# KiCad board ButterStick.kicad_pcb (continued)
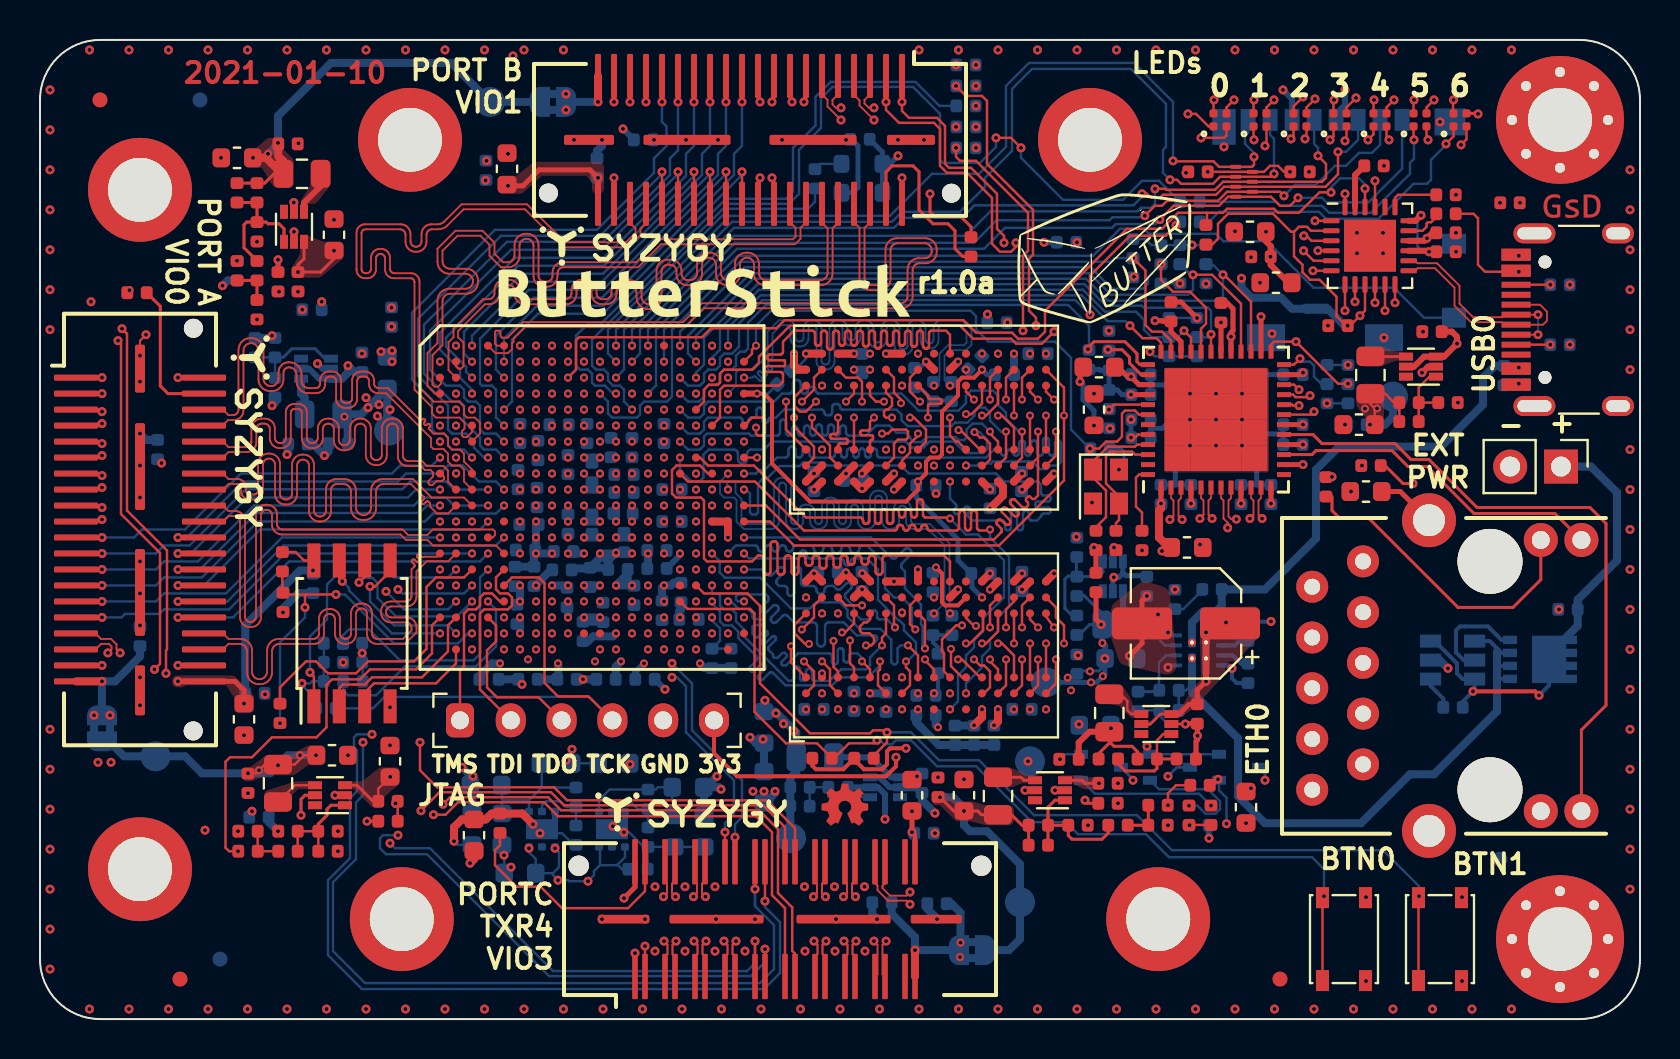
[diagram p0: board, top side]
## Routing (per net, layer and track width the routed paths; a pad name or vN(x,y) marks a point on that pad's centre or on a via; arc(x,y) is an arc through that point) (continued)
/SYZYGY0.D4_N: length 24
  Top w0.12: v1(3.1,26.6) 3,26.5 J3.15
  In2.Cu w0.089: v1(3.1,26.6) 3.28,26.77 8.5,26.77 10.7,24.57 13.93,24.57 14.05,24.59 14.17,24.63 14.27,24.69 14.36,24.78 14.42,24.88 14.46,25 14.47,25.12 14.47,25.37 14.48,25.44 14.51,25.51 14.55,25.57 14.6,25.62 14.66,25.66 14.73,25.68 14.8,25.69 14.87,25.68 14.94,25.66 15,25.62 15.05,25.57 15.09,25.51 15.12,25.44 15.12,25.37 15.12,25.12 15.14,25 15.18,24.88 15.24,24.78 15.33,24.69 15.43,24.63 15.55,24.59 15.67,24.57 15.73,24.57 15.85,24.59 15.97,24.63 16.07,24.69 16.16,24.78 16.22,24.88 16.26,25 16.28,25.12 16.28,25.37 16.28,25.44 16.31,25.51 16.35,25.57 16.4,25.62 16.46,25.66 16.53,25.68 16.6,25.69 16.67,25.68 16.74,25.66 16.8,25.62 16.85,25.57 16.89,25.51 16.92,25.44 16.92,25.37 16.92,25.12 16.94,25 16.98,24.88 17.04,24.78 17.13,24.69 17.23,24.63 17.35,24.59 17.47,24.57 18.71,24.57 18.74,24.57 18.76,24.56 18.78,24.55 18.8,24.53 18.82,24.51 18.82,24.49 18.83,24.46 18.83,24.18 18.83,24.15 18.84,24.13 18.85,24.11 18.87,24.09 18.89,24.07 18.92,24.07 18.94,24.06 18.97,24.07 18.99,24.07 19.01,24.09 19.03,24.11 19.04,24.13 19.05,24.15 19.06,24.18 19.06,24.46 19.06,24.49 19.07,24.51 19.08,24.53 19.1,24.55 19.12,24.56 19.14,24.57 19.17,24.57 19.19,24.57 19.22,24.56 19.24,24.55 19.26,24.53 19.27,24.51 19.28,24.49 19.28,24.46 19.28,24.18 19.29,24.15 19.29,24.13 19.31,24.11 19.33,24.09 19.35,24.07 19.37,24.07 19.4,24.06 19.42,24.07 19.45,24.07 19.47,24.09 19.49,24.11 19.5,24.13 19.51,24.15 19.51,24.18 19.51,24.46 19.51,24.49 19.52,24.51 19.54,24.53 19.55,24.55 19.58,24.56 19.6,24.57 19.62,24.57 19.67,24.57 v2(20,24.9)
/SYZYGY0.D4_P: length 24
  Top w0.12: v1(3.1,27.2) 3,27.3 J3.13
  In2.Cu w0.089: v2(20.8,24.1) 20.38,24.52 20.38,25.1 20.22,25.25 19.83,25.25 19.4,24.82 17.5,24.82 17.43,24.83 17.36,24.86 17.3,24.9 17.25,24.95 17.21,25.01 17.18,25.08 17.17,25.15 17.17,25.4 17.16,25.52 17.12,25.63 17.06,25.74 16.97,25.82 16.87,25.89 16.75,25.93 16.63,25.94 16.57,25.94 16.45,25.93 16.33,25.89 16.23,25.82 16.14,25.74 16.08,25.63 16.04,25.52 16.03,25.4 16.03,25.15 16.02,25.08 15.99,25.01 15.95,24.95 15.9,24.9 15.84,24.86 15.77,24.83 15.7,24.82 15.63,24.83 15.56,24.86 15.5,24.9 15.45,24.95 15.41,25.01 15.38,25.08 15.38,25.15 15.38,25.4 15.36,25.52 15.32,25.63 15.26,25.74 15.17,25.82 15.07,25.89 14.95,25.93 14.83,25.94 14.77,25.94 14.65,25.93 14.53,25.89 14.43,25.82 14.34,25.74 14.28,25.63 14.24,25.52 14.22,25.4 14.22,25.15 14.22,25.08 14.19,25.01 14.15,24.95 14.1,24.9 14.04,24.86 13.97,24.83 13.9,24.82 10.8,24.82 8.6,27.02 3.28,27.02 v1(3.1,27.2)
/SYZYGY0.D5_N: length 27.2
  Top w0.089: U4.L2 20.4,25.3 19.85,25.3 19.5,25.65 19.5,25.82 19.44,25.89 19.42,25.9 19.4,25.91 19.38,25.91 19.36,25.91 19.34,25.91 19.33,25.9 19.31,25.89 19.22,25.79 19.2,25.78 19.18,25.77 19.16,25.77 19.14,25.77 19.12,25.77 19.11,25.78 19.09,25.79 19.08,25.81 19.07,25.83 19.06,25.84 19.06,25.86 19.07,25.88 19.08,25.9 19.09,25.92 19.18,26.01 19.2,26.03 19.21,26.05 19.21,26.07 19.21,26.09 19.21,26.1 19.2,26.12 19.18,26.14 18.55,26.77 17.17,26.77 17.09,26.77 17.01,26.74 16.94,26.69 16.88,26.63 16.84,26.56 16.81,26.48 16.8,26.4 16.8,25.56 16.79,25.43 16.74,25.31 16.67,25.2 16.58,25.1 16.47,25.03 16.34,24.99 16.21,24.97 16.14,24.97 16.01,24.99 15.88,25.03 15.77,25.1 15.68,25.2 15.61,25.31 15.56,25.43 15.55,25.56 15.55,26.4 15.54,26.48 15.51,26.56 15.47,26.63 15.41,26.69 15.34,26.74 15.26,26.77 15.17,26.77 14.85,26.77 14.78,26.77 14.72,26.75 14.66,26.71 14.62,26.66 14.58,26.61 14.56,26.54 14.55,26.47 14.55,25.42 14.54,25.3 14.5,25.19 14.44,25.1 14.35,25.01 14.26,24.95 14.15,24.91 14.03,24.9 13.97,24.9 13.85,24.91 13.74,24.95 13.65,25.01 13.56,25.1 13.5,25.19 13.46,25.3 13.45,25.42 13.45,27.7 13.44,27.77 13.42,27.83 13.38,27.89 13.34,27.93 13.28,27.97 13.22,27.99 13.15,28 13.08,27.99 13.02,27.97 12.96,27.93 12.92,27.89 12.88,27.83 12.86,27.77 12.85,27.7 12.85,26.27 12.84,26.15 12.8,26.04 12.74,25.95 12.65,25.86 12.56,25.8 12.45,25.76 12.33,25.75 12.27,25.75 12.15,25.76 12.04,25.8 11.95,25.86 11.86,25.95 11.8,26.04 11.76,26.15 11.75,26.27 11.75,27.75 11.74,27.82 11.72,27.88 11.68,27.94 11.64,27.98 11.58,28.02 11.52,28.04 11.45,28.05 11.38,28.04 11.32,28.02 11.26,27.98 11.22,27.94 11.18,27.88 11.16,27.82 11.15,27.75 11.15,26.42 11.14,26.33 11.11,26.24 11.06,26.16 10.99,26.09 10.91,26.04 10.82,26.01 10.73,26 10.47,26 10.38,26.01 10.29,26.04 10.21,26.09 10.14,26.16 10.09,26.24 10.06,26.33 10.05,26.42 10.05,26.57 10.04,26.62 10.03,26.66 10.01,26.7 9.97,26.73 9.94,26.76 9.89,26.77 9.85,26.77 9.42,26.77 9.15,26.5 J3.16
/SYZYGY0.D5_P: length 27.2
  Top w0.089: J3.14 9.15,27.3 9.42,27.02 9.88,27.02 9.97,27.01 10.06,26.98 10.14,26.93 10.21,26.87 10.26,26.78 10.29,26.7 10.3,26.6 10.3,26.45 10.31,26.41 10.32,26.36 10.34,26.33 10.38,26.29 10.41,26.27 10.46,26.26 10.5,26.25 10.7,26.25 10.74,26.26 10.79,26.27 10.82,26.29 10.86,26.33 10.88,26.36 10.89,26.41 10.9,26.45 10.9,27.78 10.91,27.9 10.95,28.01 11.01,28.1 11.1,28.19 11.19,28.25 11.3,28.29 11.42,28.3 11.48,28.3 11.6,28.29 11.71,28.25 11.8,28.19 11.89,28.1 11.95,28.01 11.99,27.9 12,27.78 12,26.3 12.01,26.23 12.03,26.17 12.07,26.11 12.11,26.07 12.17,26.03 12.23,26.01 12.3,26 12.37,26.01 12.43,26.03 12.49,26.07 12.53,26.11 12.57,26.17 12.59,26.23 12.6,26.3 12.6,27.73 12.61,27.85 12.65,27.96 12.71,28.05 12.8,28.14 12.89,28.2 13,28.24 13.12,28.25 13.18,28.25 13.3,28.24 13.41,28.2 13.5,28.14 13.59,28.05 13.65,27.96 13.69,27.85 13.7,27.73 13.7,25.45 13.71,25.38 13.73,25.32 13.77,25.26 13.81,25.22 13.87,25.18 13.93,25.16 14,25.15 14.07,25.16 14.13,25.18 14.19,25.22 14.23,25.26 14.27,25.32 14.29,25.38 14.3,25.45 14.3,26.51 14.31,26.62 14.35,26.73 14.41,26.83 14.5,26.91 14.59,26.97 14.7,27.01 14.82,27.02 15.21,27.02 15.34,27.01 15.47,26.97 15.58,26.9 15.67,26.8 15.74,26.69 15.79,26.57 15.8,26.44 15.8,25.6 15.81,25.52 15.84,25.44 15.88,25.37 15.94,25.31 16.01,25.26 16.09,25.23 16.17,25.22 16.26,25.23 16.34,25.26 16.41,25.31 16.47,25.37 16.51,25.44 16.54,25.52 16.55,25.6 16.55,26.44 16.56,26.57 16.61,26.69 16.68,26.8 16.77,26.9 16.88,26.97 17.01,27.01 17.14,27.02 18.65,27.02 19.58,26.1 21.2,26.1 U4.L3
/SYZYGY0.D6_N: length 24
  Top w0.12: v1(3.1,25) 3,24.9 J3.19
  In2.Cu w0.089: v2(21.6,24.9) 22,24.5 22,23.87 21.82,23.7 21.47,23.7 21,23.22 12.33,23.22 12.25,23.22 12.17,23.19 12.11,23.15 12.05,23.09 12.01,23.03 11.98,22.95 11.97,22.87 11.97,22.69 11.96,22.57 11.92,22.45 11.85,22.34 11.76,22.25 11.65,22.19 11.54,22.14 11.41,22.13 11.34,22.13 11.21,22.14 11.1,22.19 10.99,22.25 10.9,22.34 10.83,22.45 10.79,22.57 10.78,22.69 10.78,22.87 10.77,22.95 10.74,23.03 10.7,23.09 10.64,23.15 10.58,23.19 10.5,23.22 10.42,23.22 9.65,23.22 7.7,25.17 3.28,25.17 v1(3.1,25)
/SYZYGY0.D6_P: length 24
  Top w0.12: J3.17 3,25.7 v1(3.1,25.6)
  In2.Cu w0.089: v2(21.6,24.1) 21.6,24.2 21.72,24.32 21.72,24.47 21.65,24.55 21.45,24.55 21.32,24.67 21.15,24.67 21.05,24.57 21.05,24.35 21.22,24.17 21.22,23.75 20.95,23.47 12.29,23.47 12.16,23.46 12.05,23.42 11.94,23.35 11.85,23.26 11.78,23.15 11.74,23.04 11.72,22.91 11.72,22.73 11.72,22.65 11.69,22.58 11.65,22.51 11.59,22.46 11.53,22.41 11.45,22.39 11.38,22.38 11.3,22.39 11.22,22.41 11.16,22.46 11.1,22.51 11.06,22.58 11.03,22.65 11.03,22.73 11.03,22.91 11.01,23.04 10.97,23.15 10.9,23.26 10.81,23.35 10.7,23.42 10.59,23.46 10.46,23.47 9.75,23.47 7.8,25.42 3.28,25.42 v1(3.1,25.6)
/SYZYGY0.D7_N: length 27.2
  Top w0.089: U4.P5 22.8,23.7 19.65,23.7 19.38,23.97 18.31,23.97 18.03,24.25 12.09,24.25 11.98,24.26 11.88,24.3 11.79,24.36 11.71,24.44 11.65,24.53 11.61,24.63 11.6,24.74 11.6,25.21 11.59,25.28 11.57,25.33 11.54,25.39 11.5,25.43 11.44,25.46 11.39,25.48 11.33,25.49 11.26,25.48 11.21,25.46 11.15,25.43 11.11,25.39 11.08,25.33 11.06,25.28 11.05,25.21 11.05,20.11 11.04,20 11,19.9 10.94,19.81 10.86,19.73 10.77,19.67 10.67,19.63 10.56,19.62 10.49,19.62 10.38,19.63 10.28,19.67 10.19,19.73 10.11,19.81 10.05,19.9 10.01,20 10,20.11 10,24.9 9.99,24.96 9.97,25.02 9.94,25.07 9.9,25.12 9.84,25.15 9.79,25.17 9.72,25.17 9.42,25.17 9.15,24.9 J3.20
/SYZYGY0.D7_P: length 27.2
  Top w0.089: J3.18 9.15,25.7 9.42,25.42 9.76,25.42 9.87,25.41 9.97,25.38 10.06,25.32 10.14,25.24 10.2,25.14 10.24,25.04 10.25,24.93 10.25,20.14 10.26,20.08 10.28,20.03 10.31,19.97 10.35,19.93 10.41,19.9 10.46,19.88 10.53,19.87 10.59,19.88 10.64,19.9 10.7,19.93 10.74,19.97 10.77,20.03 10.79,20.08 10.8,20.14 10.8,25.24 10.81,25.35 10.85,25.46 10.91,25.55 10.99,25.63 11.08,25.69 11.18,25.73 11.29,25.74 11.36,25.74 11.47,25.73 11.57,25.69 11.66,25.63 11.74,25.55 11.8,25.46 11.84,25.35 11.85,25.24 11.85,24.77 11.86,24.71 11.88,24.66 11.91,24.6 11.95,24.56 12.01,24.53 12.06,24.51 12.12,24.5 18.13,24.5 18.41,24.22 19.36,24.22 19.64,24.5 22.65,24.5 22.75,24.4 22.75,24.21 22.64,24.1 U4.N4
/SYZYGY0.P2C_CLK_N: length 24
  Top w0.089: v1(3.39,18.32) 3.58,18.51 3.58,18.65 3.45,18.77 3.05,18.77 2.78,18.5 J3.35
  In5.Cu w0.089: v2(20,28.9) 20.15,28.9 20.28,28.77 20.28,28.6 20.17,28.5 19.83,28.5 19.55,28.22 15.8,28.22 6.62,19.05 4.12,19.05 v1(3.39,18.32)
/SYZYGY0.P2C_CLK_P: length 24
  Top w0.089: J3.33 2.78,19.3 3.05,19.02 3.55,19.02 3.83,18.75 3.83,18.51 v1(4.01,18.32)
  In5.Cu w0.089: v2(20.8,28.1) 20.62,28.1 20.22,27.7 19.75,27.7 19.47,27.97 15.9,27.97 6.73,18.8 4.22,18.8 4.01,18.58 v1(4.01,18.32)
/SYZYGY0.R_GA: length 7.3
  Top w0.15: J3.4 6.4,31.3 6.02,31.68 6.02,35.67 R1.1
/SYZYGY0.S16: length 19.9
  Top w0.12: J3.21 v1(3.1,24.1)
  Bottom w0.12: v1(3.1,24.1) 4.7,24.1 5.1,24.5 7.25,24.5 10.05,27.3 17.6,27.3 18,27.7 19.6,27.7 v2(20,28.1)
/SYZYGY0.S17: length 19.6
  Top w0.12: J3.22 v1(6.9,24.1)
  Bottom w0.12: v1(6.9,24.1) 7.35,24.1 10.15,26.9 17.9,26.9 18.3,27.3 20,27.3 20.4,27.7 21.15,27.7 21.95,26.9 22.8,26.9 v2(23.2,26.5)
/SYZYGY0.S18: length 22.3
  Top w0.12: J3.23 v1(3.1,23.3)
  Bottom w0.12: v1(3.1,23.3) 5.8,23.3 6.2,23.7 7.47,23.7 10.29,26.51 18.11,26.51 18.5,26.9 20.3,26.9 20.7,26.5 v2(22.4,26.5)
/SYZYGY0.S19: length 15.7
  Top w0.12: J3.24 v1(6.9,23.3)
  Bottom w0.12: v1(6.9,23.3) 7.55,23.3 10.35,26.1 18.4,26.1 18.8,26.5 v2(20,26.5)
/SYZYGY0.S20: length 22.3
  Top w0.12: J3.25 v1(3.1,22.5)
  Bottom w0.12: v2(22.4,25.7) 20.7,25.7 20.3,26.1 19.1,26.1 18.7,25.7 10.7,25.7 7.9,22.9 6.2,22.9 5.8,22.5 v1(3.1,22.5)
/SYZYGY0.S21: length 15.7
  Top w0.12: J3.26 v1(6.9,22.5)
  Bottom w0.12: v1(6.9,22.5) 8,22.5 10.83,25.32 18.97,25.32 19.35,25.7 v2(20,25.7)
/SYZYGY0.S22: length 23.1
  Top w0.12: J3.27 v1(3.1,21.7)
  Bottom w0.12: v2(23.2,25.7) 22.8,25.3 19.65,25.3 19.25,24.9 10.9,24.9 8.1,22.1 6.2,22.1 5.8,21.7 v1(3.1,21.7)
/SYZYGY0.S23: length 18.1
  Top w0.12: J3.28 v1(6.9,21.7)
  Bottom w0.12: v2(22.4,24.9) 22,24.5 11,24.5 J3.28 v1(6.9,21.7)
/SYZYGY0.S24: length 19.5
  Top w0.12: J3.29 v1(3.1,20.9)
  Bottom w0.12: v2(20,24.1) 12.1,24.1 9.3,21.3 6.2,21.3 5.8,20.9 v1(3.1,20.9)
/SYZYGY0.S25: length 18.9
  Top w0.12: J3.30 v1(6.9,20.9)
  Bottom w0.12: v1(6.9,20.9) 9.38,20.9 12.17,23.7 22.8,23.7 v2(23.2,24.1)
/SYZYGY0.S26: length 21.1
  Top w0.12: J3.31 v1(3.1,20.1)
  Bottom w0.12: v2(21.6,23.3) 12.25,23.3 9.45,20.5 6.2,20.5 5.97,20.27 4.25,20.27 4.08,20.1 v1(3.1,20.1)
/SYZYGY0.S27: length 18.1
  Top w0.12: J3.32 v1(6.9,20.1)
  Bottom w0.12: v2(22.4,23.3) 22,22.9 12.45,22.9 9.65,20.1 v1(6.9,20.1)
/SYZYGY0.VIO1: length 11.7
  Top w0.4: J3.39 v1(3.1,16.9)
  In3.Cu w0.12: v1(3.5,15.2) 4.1,15.2 4.5,14.8 6.3,14.8 7.7,16.2
  Bottom w0.4: v1(12.35,28.25) 12.42,28.31 C157.1 ; C160.1 5,18.15 3.75,16.9 v1(3.1,16.9) JP1.2 ; C159.1 5.89,28.01 v1(6.08,27.82)
  vias: v1(2.7,15.2) v2(24,25.7) v2(24,24.9) v2(24.8,25.7)
/SYZYGY1.C2P_CLK_N: length 36.1
  Top w0.089: J4.36 29.5,39.85 29.78,39.57 29.78,39.35 29.3,38.87 26.25,38.87 24.35,40.77 21.07,40.77 20.21,39.91 20.14,39.86 20.02,39.8 19.92,39.77 19.57,39.77 19.46,39.76 19.36,39.73 19.26,39.67 19.18,39.59 19.12,39.49 19.09,39.39 19.08,39.28 19.08,38.92 19.07,38.86 19.05,38.81 19.02,38.75 18.97,38.71 18.92,38.68 18.86,38.66 18.8,38.65 18.74,38.66 18.68,38.68 18.63,38.71 18.58,38.75 18.55,38.81 18.53,38.86 18.53,38.92 18.53,39.28 18.51,39.39 18.48,39.49 18.42,39.59 18.34,39.67 18.24,39.73 18.14,39.76 18.03,39.77 16.25,39.77 16.16,39.76 16.07,39.73 15.99,39.68 15.92,39.62 15.87,39.53 15.84,39.45 15.83,39.35 15.83,37.55 15.83,37.5 15.84,37.4 15.87,37.32 15.92,37.23 15.99,37.17 16.07,37.12 16.16,37.09 16.25,37.07 16.35,37.07 16.45,37.09 16.55,37.12 16.63,37.17 16.7,37.24 16.76,37.33 16.79,37.42 16.8,37.52 16.8,38.07 16.81,38.12 16.82,38.17 16.85,38.21 16.88,38.25 16.93,38.27 16.97,38.29 17.03,38.29 17.08,38.29 17.12,38.27 17.17,38.25 17.2,38.21 17.23,38.17 17.24,38.12 17.25,38.07 17.25,37.52 17.26,37.42 17.29,37.33 17.35,37.24 17.42,37.17 17.5,37.12 17.6,37.09 17.7,37.07 18.53,37.07 18.57,37.07 18.61,37.06 18.65,37.03 18.68,37 18.71,36.96 18.72,36.92 18.72,36.87 18.72,31.5 19.6,30.62 19.6,30.3 19.8,30.1 20.97,30.1 21.22,29.85 21.22,29.55 21.1,29.42 21.1,29.2 21.18,29.12 21.35,29.12 21.6,29.37 U4.F3
/SYZYGY1.C2P_CLK_P: length 36.1
  Top w0.089: J4.34 30.3,39.85 30.03,39.57 30.03,39.25 29.4,38.62 26.15,38.62 24.25,40.52 21.18,40.52 20.36,39.7 20.26,39.62 20.14,39.57 20.02,39.54 19.88,39.52 19.6,39.52 19.54,39.52 19.48,39.5 19.43,39.47 19.38,39.42 19.35,39.37 19.33,39.31 19.33,39.25 19.33,38.89 19.31,38.78 19.28,38.68 19.22,38.59 19.14,38.51 19.04,38.45 18.94,38.41 18.83,38.4 18.77,38.4 18.66,38.41 18.56,38.45 18.46,38.51 18.38,38.59 18.32,38.68 18.29,38.78 18.28,38.89 18.28,39.25 18.27,39.31 18.25,39.37 18.22,39.42 18.17,39.47 18.12,39.5 18.06,39.52 18,39.52 16.35,39.52 16.23,39.52 16.19,39.51 16.15,39.48 16.12,39.45 16.1,39.41 16.08,39.37 16.08,39.32 16.08,37.52 16.08,37.48 16.1,37.44 16.12,37.4 16.15,37.37 16.19,37.34 16.23,37.33 16.28,37.32 16.33,37.32 16.38,37.33 16.42,37.35 16.47,37.37 16.5,37.41 16.53,37.45 16.54,37.5 16.55,37.55 16.55,38.1 16.56,38.2 16.59,38.29 16.65,38.38 16.72,38.45 16.8,38.5 16.9,38.53 17,38.54 17.05,38.54 17.15,38.53 17.25,38.5 17.33,38.45 17.4,38.38 17.46,38.29 17.49,38.2 17.5,38.1 17.5,37.55 17.51,37.5 17.52,37.45 17.55,37.41 17.58,37.37 17.63,37.35 17.67,37.33 17.72,37.32 18.55,37.32 18.65,37.31 18.73,37.28 18.82,37.23 18.88,37.17 18.93,37.08 18.96,37 18.97,36.9 18.97,31.6 19.68,30.9 20.95,30.9 21.2,30.65 21.2,30.25 21.35,30.1 21.75,30.1 22,29.85 22,29.3 U4.G3
/SYZYGY1.D0_N: length 32.9
  Top w0.089: v1(41.7,44.99) 40.97,45.72 40.97,45.97 40.7,46.25 J4.7
  In2.Cu w0.089: v2(23.2,31.3) 23.2,31.25 23.3,31.15 23.5,31.15 23.6,31.25 23.6,33.05 23.05,33.6 23.05,35.32 24.75,37.02 30.6,37.02 32.05,38.47 39.05,38.47 41,40.42 41,44.87 41.3,45.17 41.52,45.17 v1(41.7,44.99)
/SYZYGY1.D0_P: length 32.9
  Top w0.089: J4.5 41.5,46.27 41.22,46 41.22,45.82 41.44,45.61 v1(41.7,45.61)
  In2.Cu w0.089: v2(22.4,30.5) 22.8,30.9 22.8,35.43 24.65,37.27 30.5,37.27 31.95,38.72 38.95,38.72 40.75,40.53 40.75,44.98 41.2,45.42 41.52,45.42 v1(41.7,45.61)
/SYZYGY1.D1_N: length 36
  Top w0.089: J4.8 40.7,39.87 40.97,39.6 40.97,37.04 40.99,36.92 41.03,36.8 41.1,36.69 41.19,36.6 41.29,36.53 41.41,36.49 41.54,36.47 41.54,36.47 41.96,36.47 42.09,36.49 42.21,36.53 42.31,36.6 42.4,36.69 42.47,36.79 42.51,36.91 42.53,37.04 42.53,38.47 42.53,38.48 42.53,38.55 42.56,38.63 42.6,38.69 42.66,38.75 42.72,38.79 42.8,38.82 42.88,38.82 44.23,38.82 44.31,38.82 44.39,38.79 44.45,38.75 44.51,38.69 44.55,38.63 44.57,38.55 44.58,38.48 44.58,38.47 44.58,38.43 44.58,38.35 44.55,38.27 44.51,38.21 44.45,38.15 44.39,38.11 44.31,38.09 44.24,38.08 43.94,38.08 43.94,38.08 43.82,38.06 43.7,38.02 43.59,37.95 43.5,37.86 43.43,37.76 43.39,37.64 43.38,37.51 43.38,36.18 43.37,36.1 43.34,36.02 43.3,35.96 43.24,35.9 43.18,35.86 43.1,35.83 43.03,35.82 33.1,35.82 32.15,34.88 24.15,34.88 23.38,34.1 23.1,34.1 23.03,34.17 23.03,34.4 22.97,34.45 22.8,34.45 22.75,34.4 22.75,33.8 22.85,33.7 U4.A5
/SYZYGY1.D1_P: length 36
  Top w0.089: J4.6 41.5,39.87 41.23,39.6 41.23,37.08 41.23,37 41.26,36.92 41.3,36.86 41.36,36.8 41.42,36.76 41.5,36.74 41.57,36.73 41.92,36.73 41.93,36.73 42,36.73 42.08,36.76 42.14,36.8 42.2,36.86 42.24,36.92 42.27,37 42.27,37.08 42.27,38.51 42.29,38.64 42.33,38.76 42.4,38.86 42.49,38.95 42.59,39.02 42.71,39.06 42.84,39.08 44.27,39.08 44.39,39.06 44.51,39.02 44.62,38.95 44.71,38.86 44.78,38.76 44.82,38.64 44.84,38.51 44.84,38.39 44.82,38.26 44.78,38.14 44.71,38.04 44.62,37.95 44.52,37.88 44.4,37.84 44.27,37.82 43.98,37.82 43.9,37.82 43.83,37.79 43.76,37.75 43.71,37.69 43.66,37.63 43.64,37.55 43.63,37.48 43.63,36.14 43.61,36.01 43.57,35.89 43.5,35.79 43.41,35.7 43.31,35.63 43.19,35.59 43.06,35.57 33.2,35.57 32.25,34.62 24.25,34.62 23.68,34.05 23.68,33.9 23.6,33.82 23.6,33.52 23.4,33.32 22.78,33.32 U4.A4
/SYZYGY1.D2_N: length 32.9
  Top w0.089: v1(40.05,44.99) 39.38,45.67 39.38,46 39.1,46.27 J4.11
  In2.Cu w0.089: v1(40.05,44.99) 39.87,45.17 39.25,45.17 38.9,44.82 38.9,43.78 38.91,43.74 38.92,43.7 38.94,43.66 38.98,43.62 39.02,43.6 39.06,43.58 39.1,43.58 39.26,43.58 39.35,43.57 39.44,43.54 39.52,43.49 39.59,43.42 39.64,43.34 39.67,43.25 39.68,43.15 39.68,42.96 39.67,42.86 39.64,42.77 39.59,42.69 39.52,42.62 39.44,42.57 39.35,42.54 39.26,42.53 39.1,42.53 39.06,42.52 39.02,42.51 38.98,42.48 38.94,42.45 38.92,42.41 38.91,42.37 38.9,42.32 38.9,42.18 38.91,42.14 38.92,42.1 38.94,42.06 38.98,42.02 39.02,42 39.06,41.98 39.1,41.98 39.26,41.98 39.35,41.97 39.44,41.94 39.52,41.89 39.59,41.82 39.64,41.74 39.67,41.65 39.68,41.55 39.68,41.36 39.67,41.26 39.64,41.17 39.59,41.09 39.52,41.02 39.44,40.97 39.35,40.94 39.26,40.93 39.1,40.93 39.06,40.92 39.02,40.91 38.98,40.88 38.94,40.85 38.92,40.81 38.91,40.77 38.9,40.72 38.9,40.37 38.25,39.72 31.65,39.72 29.8,37.87 23.95,37.87 22.25,36.17 22.25,34.19 22.25,34.16 22.26,34.14 22.27,34.12 22.29,34.1 22.31,34.08 22.34,34.08 22.36,34.07 22.42,34.07 22.45,34.07 22.47,34.06 22.49,34.05 22.51,34.03 22.53,34.01 22.53,33.98 22.54,33.96 22.53,33.93 22.53,33.91 22.51,33.89 22.49,33.87 22.47,33.86 22.45,33.85 22.42,33.84 22.36,33.84 22.34,33.84 22.31,33.83 22.29,33.82 22.27,33.8 22.26,33.78 22.25,33.76 22.25,33.73 22.25,33.71 22.26,33.68 22.27,33.66 22.29,33.64 22.31,33.63 22.34,33.62 22.36,33.62 22.42,33.62 22.45,33.61 22.47,33.61 22.49,33.59 22.51,33.57 22.53,33.55 22.53,33.53 22.54,33.5 22.53,33.48 22.53,33.45 22.51,33.43 22.49,33.41 22.47,33.4 22.45,33.39 22.42,33.39 22.36,33.39 22.34,33.39 22.31,33.38 22.29,33.36 22.27,33.35 22.26,33.32 22.25,33.3 22.25,33.27 22.25,33.05 v2(22.4,32.9)
/SYZYGY1.D2_P: length 32.9
  Top w0.089: v1(40.05,45.61) 39.79,45.61 39.62,45.77 39.62,46 39.9,46.27 J4.9
  In2.Cu w0.089: v2(22.4,32.1) 22,32.5 22,36.28 23.85,38.12 29.7,38.12 31.55,39.97 38.15,39.97 38.65,40.48 38.65,40.75 38.66,40.85 38.69,40.94 38.74,41.02 38.81,41.09 38.89,41.14 38.98,41.17 39.08,41.18 39.23,41.18 39.28,41.18 39.32,41.2 39.36,41.22 39.39,41.26 39.41,41.3 39.43,41.34 39.43,41.38 39.43,41.52 39.43,41.57 39.41,41.61 39.39,41.65 39.36,41.68 39.32,41.71 39.28,41.72 39.23,41.73 39.08,41.73 38.98,41.74 38.89,41.77 38.81,41.82 38.74,41.89 38.69,41.97 38.66,42.06 38.65,42.16 38.65,42.35 38.66,42.45 38.69,42.54 38.74,42.62 38.81,42.69 38.89,42.74 38.98,42.77 39.08,42.78 39.23,42.78 39.28,42.78 39.32,42.8 39.36,42.82 39.39,42.86 39.41,42.9 39.43,42.94 39.43,42.98 39.43,43.12 39.43,43.17 39.41,43.21 39.39,43.25 39.36,43.28 39.32,43.31 39.28,43.32 39.23,43.33 39.08,43.33 38.98,43.34 38.89,43.37 38.81,43.42 38.74,43.49 38.69,43.57 38.66,43.66 38.65,43.76 38.65,44.93 39.15,45.42 39.87,45.42 v1(40.05,45.61)
/SYZYGY1.D3_N: length 36.1
  Top w0.089: U4.C2 20.42,32.47 20.42,33.87 20.68,34.12 20.68,34.55 22.15,36.02 22.43,36.02 22.49,36.03 22.56,36.05 22.61,36.09 22.66,36.14 22.7,36.19 22.72,36.26 22.72,36.32 22.72,36.48 22.74,36.6 22.78,36.71 22.84,36.8 22.92,36.89 23.02,36.95 23.13,36.99 23.24,37 23.46,37 23.57,36.99 23.68,36.95 23.78,36.89 23.86,36.8 23.92,36.71 23.96,36.6 23.97,36.48 23.97,36.32 23.98,36.26 24,36.19 24.04,36.14 24.09,36.09 24.14,36.05 24.21,36.03 24.28,36.02 26.28,36.02 26.34,36.03 26.41,36.05 26.46,36.09 26.51,36.14 26.55,36.19 26.57,36.26 26.57,36.32 26.57,36.48 26.59,36.6 26.63,36.71 26.69,36.8 26.77,36.89 26.87,36.95 26.98,36.99 27.09,37 27.31,37 27.42,36.99 27.53,36.95 27.63,36.89 27.71,36.8 27.77,36.71 27.81,36.6 27.82,36.48 27.82,36.32 27.83,36.26 27.85,36.19 27.89,36.14 27.94,36.09 27.99,36.05 28.06,36.03 28.12,36.02 28.28,36.02 28.34,36.03 28.41,36.05 28.46,36.09 28.51,36.14 28.55,36.19 28.57,36.26 28.57,36.32 28.58,36.33 28.58,36.46 28.59,36.57 28.63,36.68 28.69,36.78 28.77,36.86 28.87,36.92 28.98,36.96 29.09,36.97 29.1,36.97 29.49,36.97 29.62,36.96 29.74,36.92 29.85,36.85 29.95,36.75 30.02,36.64 30.06,36.52 30.07,36.39 30.07,36.15 30.08,36.07 30.11,35.99 30.16,35.92 30.22,35.86 30.29,35.82 30.37,35.79 30.45,35.78 30.53,35.79 30.61,35.82 30.68,35.86 30.74,35.92 30.79,35.99 30.82,36.07 30.82,36.15 30.82,37.46 30.84,37.58 30.88,37.69 30.94,37.8 31.03,37.88 31.13,37.95 31.25,37.99 31.37,38 31.53,38 31.65,37.99 31.77,37.95 31.87,37.88 31.96,37.8 32.02,37.69 32.06,37.58 32.07,37.46 32.07,37.3 32.08,37.23 32.11,37.16 32.15,37.1 32.2,37.05 32.26,37.01 32.33,36.98 32.4,36.97 32.5,36.98 32.58,36.98 32.65,37.01 32.72,37.05 32.77,37.11 32.82,37.17 32.84,37.25 32.85,37.33 32.85,37.79 32.86,37.92 32.91,38.04 32.97,38.14 33.06,38.23 33.17,38.3 33.29,38.34 33.42,38.36 33.49,38.36 33.61,38.34 33.73,38.3 33.84,38.23 33.93,38.14 34,38.04 34.04,37.92 34.05,37.79 34.05,37.33 34.06,37.25 34.09,37.17 34.13,37.11 34.18,37.05 34.25,37.01 34.32,36.98 34.4,36.98 34.48,36.98 34.55,37.01 34.62,37.05 34.67,37.11 34.72,37.17 34.74,37.25 34.75,37.33 34.75,37.79 34.76,37.92 34.81,38.04 34.87,38.14 34.96,38.23 35.07,38.3 35.19,38.34 35.32,38.36 35.39,38.36 35.51,38.34 35.63,38.3 35.74,38.23 35.83,38.14 35.9,38.04 35.94,37.92 35.95,37.79 35.95,37.33 35.96,37.25 35.99,37.17 36.03,37.11 36.08,37.05 36.15,37.01 36.22,36.98 36.3,36.98 39,36.98 39,36.97 39.09,36.99 39.17,37.02 39.24,37.06 39.3,37.12 39.34,37.19 39.37,37.27 39.38,37.35 39.38,39.57 39.1,39.85 J4.12
/SYZYGY1.D3_P: length 36.1
  Top w0.089: J4.10 39.9,39.85 39.63,39.58 39.63,37.32 39.62,37.19 39.57,37.06 39.5,36.95 39.41,36.86 39.3,36.79 39.17,36.74 39.04,36.72 36.27,36.73 36.14,36.74 36.02,36.78 35.91,36.85 35.82,36.94 35.76,37.05 35.71,37.16 35.7,37.29 35.7,37.76 35.69,37.83 35.67,37.91 35.62,37.97 35.57,38.03 35.5,38.07 35.43,38.1 35.35,38.1 35.27,38.1 35.2,38.07 35.13,38.03 35.08,37.97 35.04,37.91 35.01,37.83 35,37.76 35,37.29 34.99,37.16 34.95,37.05 34.88,36.94 34.79,36.85 34.68,36.78 34.56,36.74 34.44,36.73 34.37,36.73 34.24,36.74 34.12,36.78 34.01,36.85 33.92,36.94 33.86,37.05 33.81,37.16 33.8,37.29 33.8,37.76 33.79,37.83 33.77,37.91 33.72,37.97 33.67,38.03 33.6,38.07 33.53,38.1 33.45,38.1 33.37,38.1 33.3,38.07 33.23,38.03 33.18,37.97 33.14,37.91 33.11,37.83 33.1,37.76 33.1,37.29 33.09,37.16 33.05,37.05 32.98,36.94 32.89,36.85 32.78,36.78 32.66,36.74 32.54,36.73 32.37,36.72 32.25,36.74 32.13,36.78 32.03,36.84 31.94,36.93 31.88,37.03 31.84,37.15 31.82,37.27 31.82,37.42 31.82,37.5 31.79,37.57 31.75,37.63 31.7,37.68 31.64,37.72 31.57,37.74 31.5,37.75 31.4,37.75 31.33,37.74 31.26,37.72 31.2,37.68 31.15,37.63 31.11,37.57 31.08,37.5 31.07,37.42 31.07,36.12 31.06,35.99 31.02,35.86 30.95,35.75 30.85,35.66 30.74,35.59 30.62,35.54 30.49,35.53 30.41,35.53 30.28,35.54 30.16,35.59 30.05,35.66 29.95,35.75 29.88,35.86 29.84,35.99 29.82,36.12 29.82,36.35 29.82,36.43 29.79,36.51 29.74,36.58 29.68,36.64 29.61,36.69 29.53,36.72 29.45,36.72 29.13,36.72 29.06,36.72 29,36.69 28.94,36.66 28.89,36.61 28.86,36.55 28.83,36.49 28.83,36.42 28.83,36.29 28.82,36.29 28.81,36.18 28.77,36.07 28.71,35.97 28.63,35.89 28.53,35.83 28.42,35.79 28.31,35.77 28.09,35.77 27.98,35.79 27.87,35.83 27.77,35.89 27.69,35.97 27.63,36.07 27.59,36.18 27.57,36.29 27.57,36.45 27.57,36.52 27.55,36.58 27.51,36.64 27.46,36.68 27.41,36.72 27.34,36.74 27.28,36.75 27.12,36.75 27.06,36.74 26.99,36.72 26.94,36.68 26.89,36.64 26.85,36.58 26.83,36.52 26.82,36.45 26.82,36.29 26.81,36.18 26.77,36.07 26.71,35.97 26.63,35.89 26.53,35.83 26.42,35.79 26.31,35.77 24.24,35.77 24.13,35.79 24.02,35.83 23.92,35.89 23.84,35.97 23.78,36.07 23.74,36.18 23.72,36.29 23.72,36.45 23.72,36.52 23.7,36.58 23.66,36.64 23.61,36.68 23.56,36.72 23.49,36.74 23.43,36.75 23.28,36.75 23.21,36.74 23.14,36.72 23.09,36.68 23.04,36.64 23,36.58 22.98,36.52 22.97,36.45 22.97,36.29 22.96,36.18 22.92,36.07 22.86,35.97 22.78,35.89 22.68,35.83 22.57,35.79 22.46,35.77 22.25,35.77 20.9,34.42 20.9,34.12 21.18,33.85 21.18,32.67 21.05,32.55 20.91,32.55 20.8,32.66 U4.B2
